# KiCad board VNA.kicad_pcb
title: VNA2; date: 2020-10-25; rev: 0.1; company: Design by Jan Käberich (jankae); note: Ported from Eagle to KiCad by B.VERNOUX Oct 2020
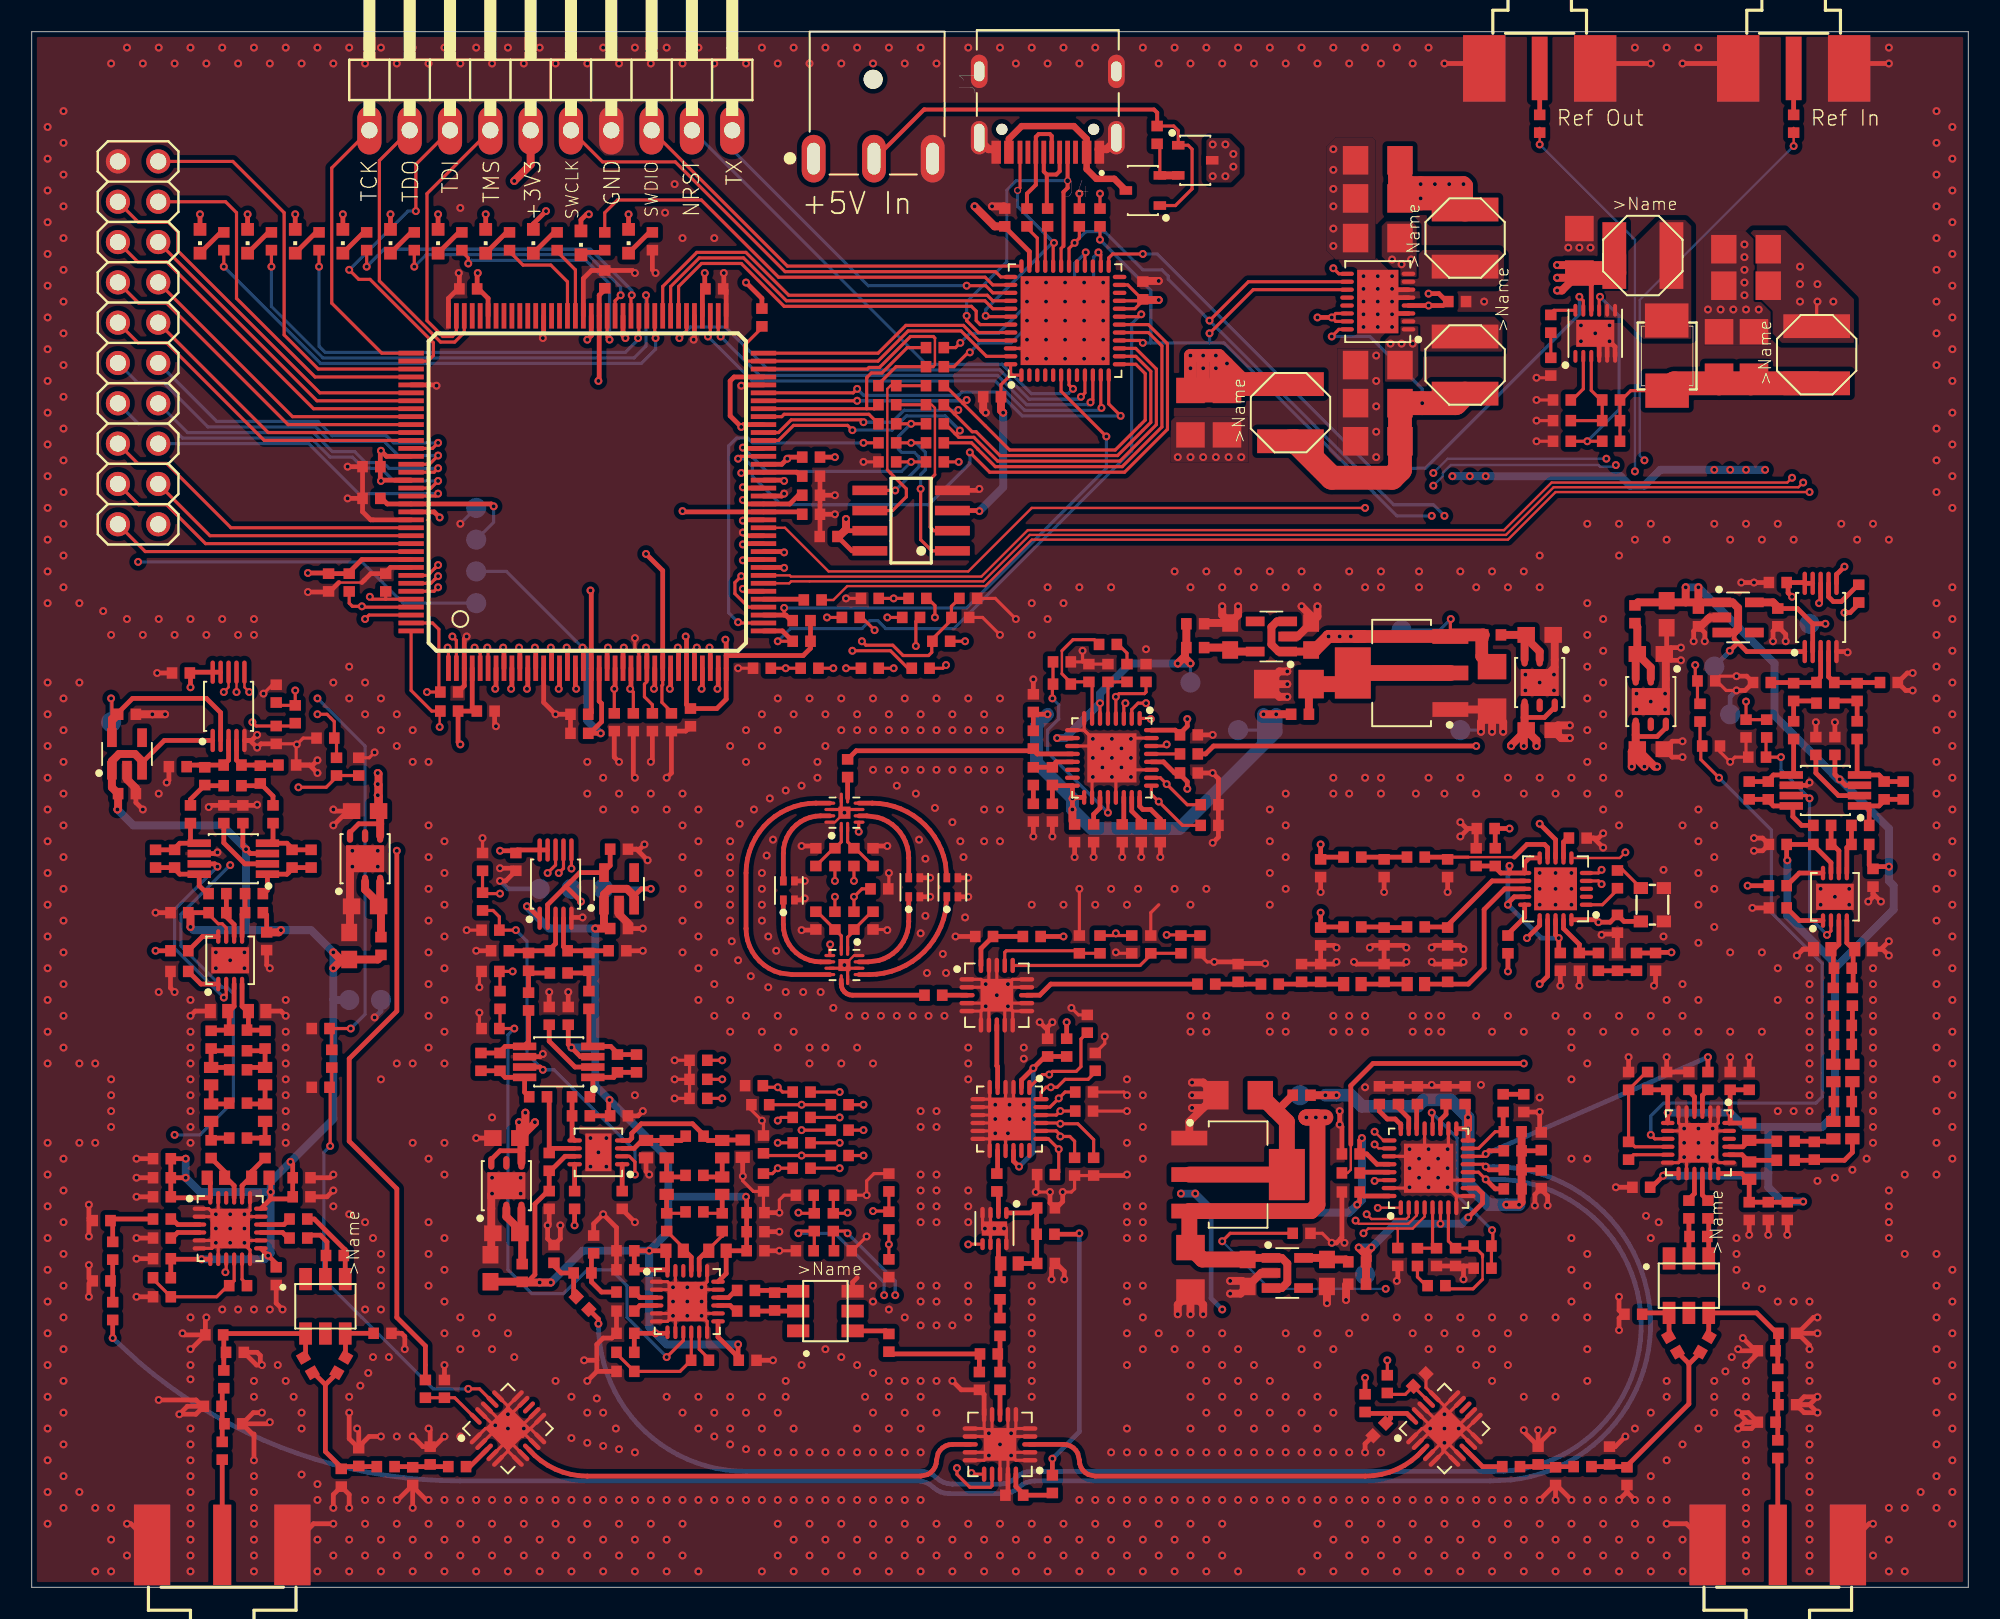
[diagram p0: board, top side]
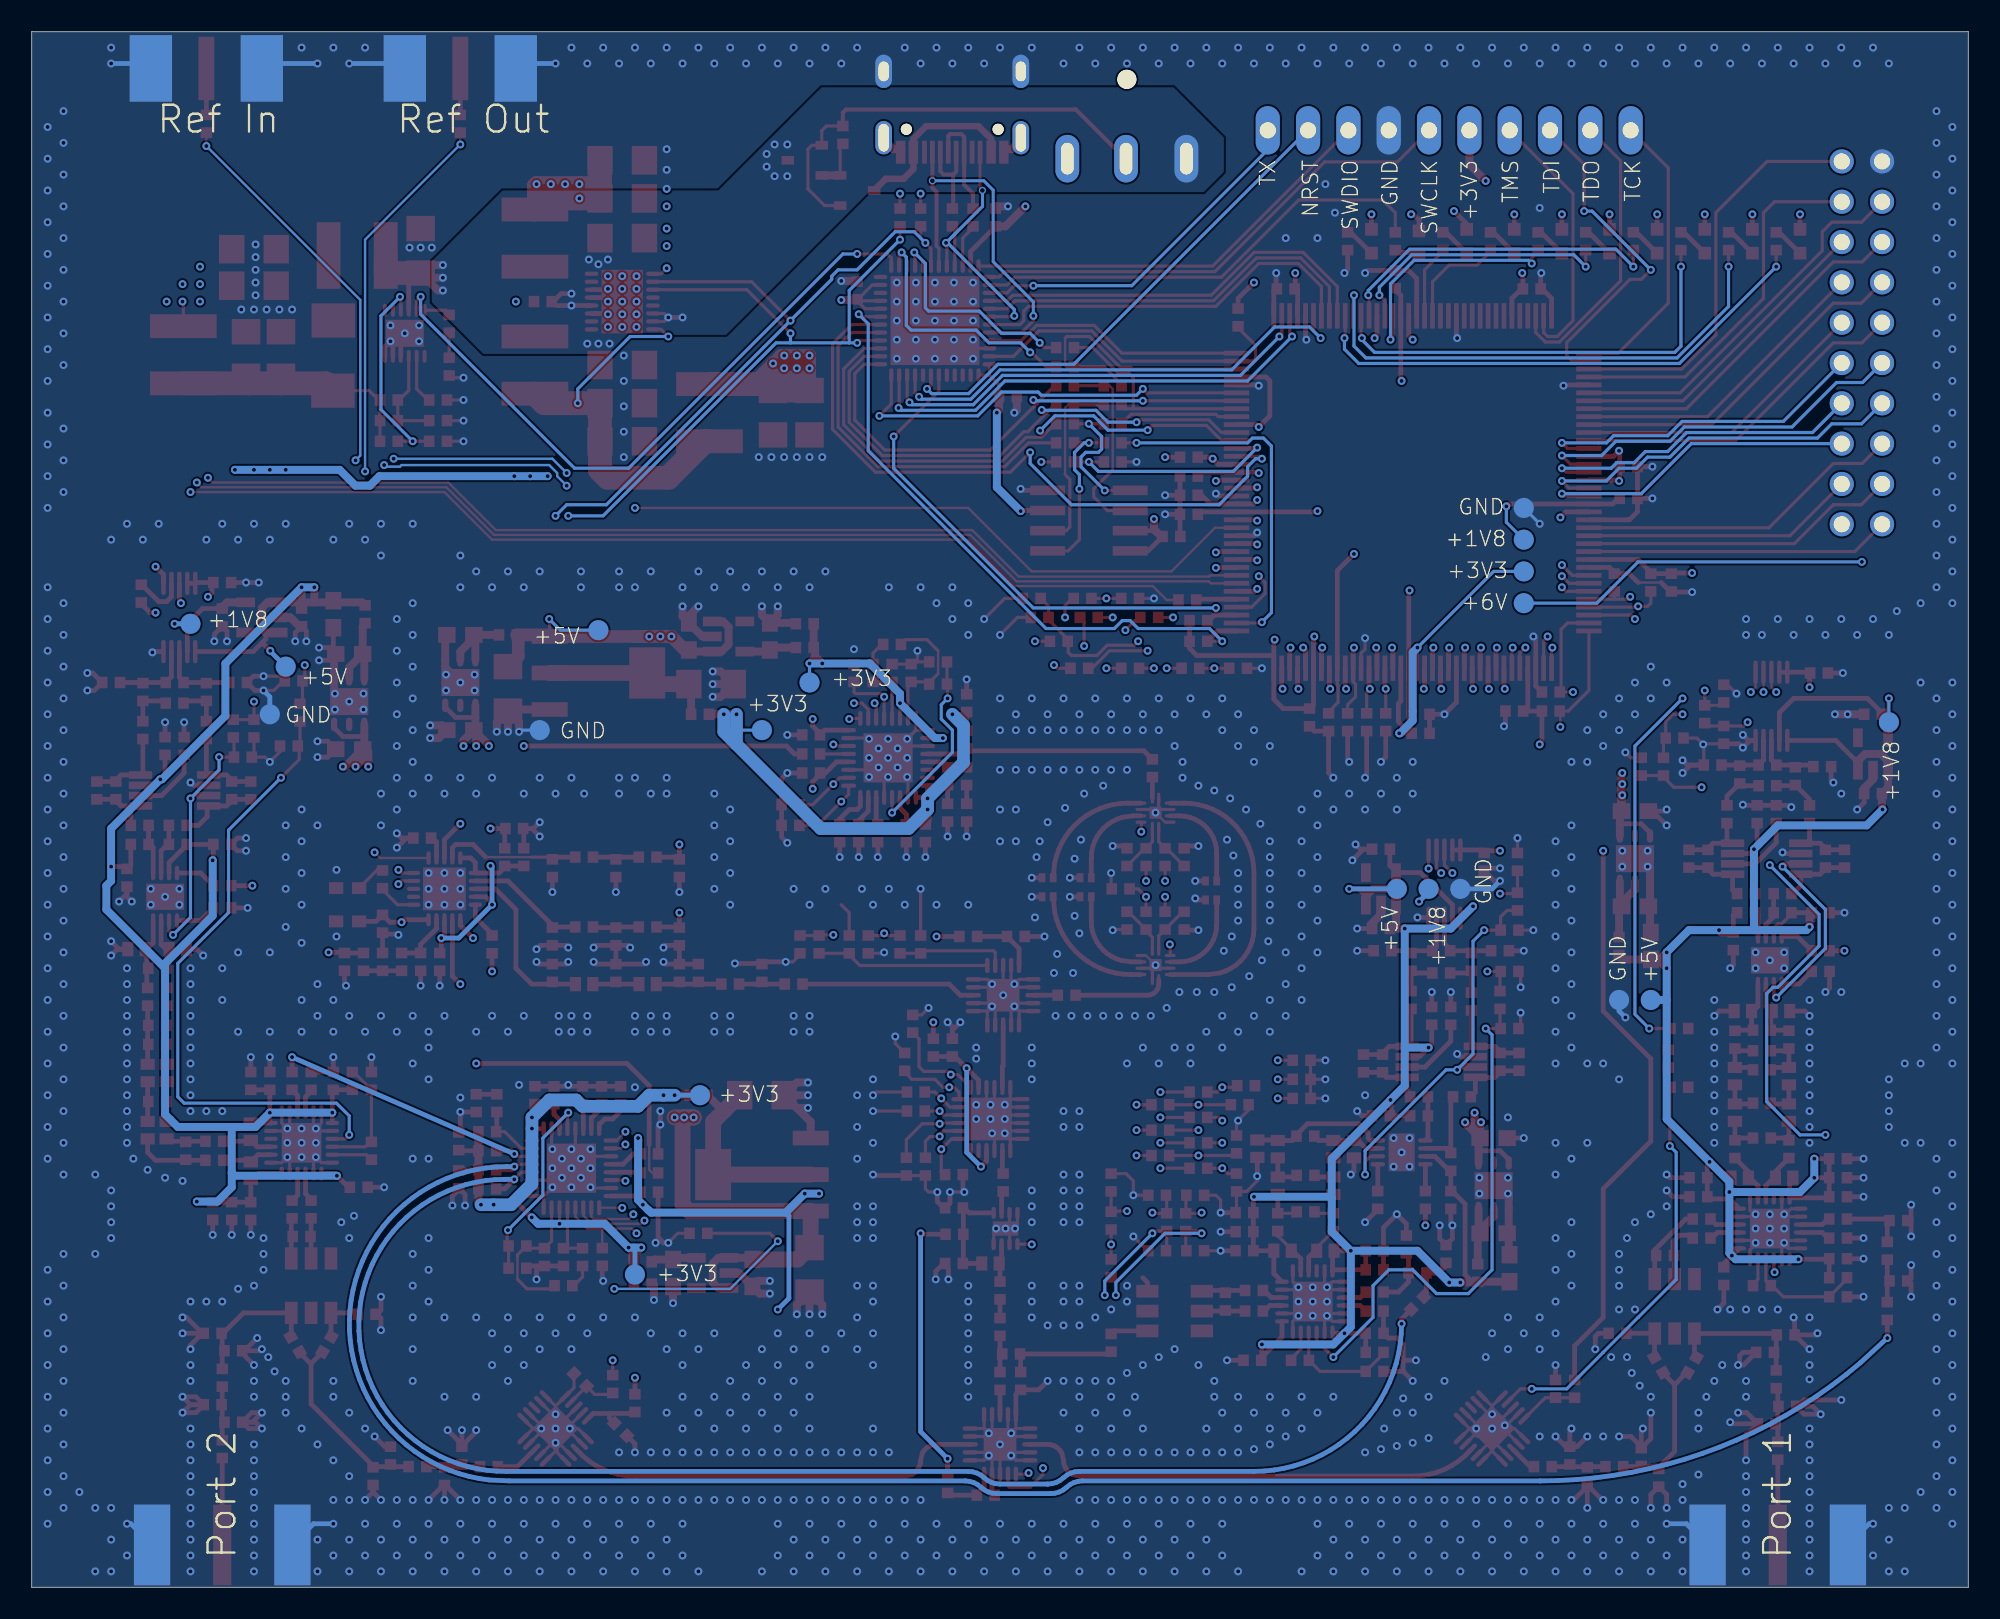
[diagram p1: board, bottom side, seen from below]

Outline 122 x 98 mm; copper layers: 1_top, 2_gnd, 3_pwr, 4_bot. Coordinates in mm from the lower left corner of the outline.
Outline path: 0,98 0,0 122,0 122,98 0,98

## Placement (name value [footprint] x y rotation side)
C1  10u  [C1206]  97.5 84.2 90 top
C2  10u  [C1206]  84.8 77 180 top
C3  10u  [C1206]  84.8 85 180 top
C4  100n  [C0402]  96.4 74.8 0 top
C5  10n  [C0402]  95.7 76.9 90 top
C6  100n  [C0402]  89.8 81 180 top
C7  10u  [C1206]  84.8 89.9 180 top
C8  10u  [C1206]  84.8 74.6 180 top
C9  100p  [C0402]  99.5 74.8 180 top
C10  10u  [C1206]  84.8 87.5 180 top
C11  10u  [C1206]  84.8 72.2 180 top
C12  10u  [C1206]  108.5 77.7 90 top
C13  10u  [C1206]  106.3 77.7 90 top
C14  10u  [C1206]  75.3 74 270 top
C15  10u  [C1206]  73 74 270 top
C16  10u  [C1206]  108 82 180 top
C17  10u  [C1206]  108 84.3 180 top
C18  1u  [C0603]  21 48.9 0 top
C19  1u  [C0603]  102 52.8 180 top
C20  1u  [C0603]  29.9 28.3 0 top
C21  1u  [C0603]  95 54 180 top
C22  4u7  [C0603]  21 42.9 0 top
C23  4u7  [C0603]  102 58.8 180 top
C24  4u7  [C0603]  29.9 22.3 0 top
C25  4u7  [C0603]  95 60 180 top
C26  1u  [C0603]  20 40.4 270 top
C27  1u  [C0603]  103 61.3 90 top
C28  1u  [C0603]  28.9 20.1 270 top
C29  100n  [C0402]  91.6 47.8 0 top
C30  10n  [C0402]  111 92.2 270 top
C31  100n  [C0402]  99.9 41.8 90 top
C32  100n  [C0402]  91 46 270 top
C33  100n  [C0402]  96.3 39.4 90 top
C34  100n  [C0402]  99.9 44.6 90 top
C35  DNP  [C0402]  97.5 39.4 270 top
C36  DNP  [C0402]  89.2 41 270 top
C37  DNP  [C0402]  89.2 45.3 270 top
C38  56p  [C0402]  89.2 38.7 90 top
C39  10n  [C0402]  95 92.2 90 top
C40  DNP  [C0402]  99.9 39.4 90 top
C41  DNP  [C0402]  85.2 41 270 top
C42  DNP  [C0402]  85.2 45.3 270 top
C43  180p  [C0402]  85.2 38.7 90 top
C44  DNP  [C0402]  102.3 39.4 270 top
C45  DNP  [C0402]  81.2 41 270 top
C46  DNP  [C0402]  81.2 45.3 270 top
C47  56p  [C0402]  81.2 38.7 90 top
C48  100n  [C0402]  74 38 0 top
C49  10u  [C1206]  92 56.6 270 top
C50  1u  [C0603]  80.6 59.9 90 top
C51  10n  [C0402]  72.9 52.5 180 top
C52  1u  [C0603]  75.5 59.9 90 top
C53  10u  [C1206]  79.2 56.9 180 top
C54  100n  [C0402]  72.9 51.3 0 top
C55  100n  [C0402]  72.9 53.7 0 top
C56  100n  [C0402]  65.7 47.5 270 top
C57  100n  [C0402]  73.3 60.7 0 top
C58  1u  [C0402]  71.1 47.5 270 top
C59  1u  [C0402]  66.9 47.5 270 top
C60  1u  [C0402]  69.9 47.5 270 top
C61  100n  [C0402]  64.3 48.8 270 top
C62  100n  [C0402]  63.1 51.1 90 top
C63  180p  [C0402]  66.6 57.6 90 top
C64  100n  [C0402]  63.1 55.7 90 top
C65  100n/RF  [C0402]  51.4 51.6 270 top
C66  3n3  [C0402]  67.8 59.4 0 top
C67  18p  [C0402]  64.9 58.3 180 top
C68  100n/RF  [C0402]  56.8 37.3 0 top
C69  100n  [C0402]  60 41 180 top
C70  100n  [C0402]  64 34 90 top
C71  100n/RF  [C0402]  60.8 25.5 270 top
C72  100n  [C0402]  63.9 23.9 0 top
C73  100n  [C0402]  63.9 20.4 0 top
C74  100n/RF  [C0402]  61 18.7 270 top
C75  100n  [C0402]  61.9 5.8 180 top
C76  100n  [C0402]  26 12.5 90 top
C77  100n  [C0402]  84.9 9.94 225 top
C78  10u  [C1206]  73 20 270 top
C79  1u  [C0603]  76.6 19.8 270 top
C80  10n  [C0402]  83.1 26.1 0 top
C81  1u  [C0603]  81.6 19.8 270 top
C82  10u  [C1206]  76 31 180 top
C83  100n  [C0402]  83.1 27.3 180 top
C84  100n  [C0402]  83.1 24.9 180 top
C85  100n  [C0402]  90.3 31 90 top
C86  100n  [C0402]  83.5 19.1 180 top
C87  1u  [C0402]  84.9 31 90 top
C88  1u  [C0402]  89.1 31 90 top
C89  1u  [C0402]  86.1 31 90 top
C90  180p  [C0402]  89.7 20.8 270 top
C91  100n  [C0402]  95.1 25.7 270 top
C92  3n3  [C0402]  88.5 19 180 top
C93  10n  [C0402]  92.7 30.5 270 top
C94  100n  [C0402]  95.1 28.1 90 top
C95  18p  [C0402]  91.4 20.1 0 top
C96  100n/RF  [C0402]  26.8 7.6 180 top
C97  100n  [C0402]  9.3 38.8 0 top
C98  100n  [C0402]  9.3 40.1 0 top
C99  100n/RF  [C0402]  12 8.6 90 top
C100  1u  [C0402]  11.7 43.7 180 top
C101  1u  [C0402]  14 43.7 0 top
C102  100n  [C0402]  14.8 40.7 90 top
C103  100n  [C0402]  9.3 42.5 0 top
C104  10n  [C0402]  8.2 20.7 180 top
C105  10n  [C0402]  8.2 24.6 180 top
C106  10n  [C0402]  15.4 19.6 270 top
C107  DNP  [C0402]  19.1 20.9 180 top
C108  1u  [C0402]  8.2 27 180 top
C109  100n/RF  [C0402]  16.8 22 180 top
C110  100n/RF  [C0402]  16.8 23.2 180 top
C111  10n  [C0402]  17 24.6 0 top
C112  DNP  [C0402]  7.8 45.9 90 top
C113  DNP  [C0402]  17.6 45.9 270 top
C114  100n  [C0402]  8.2 23.2 0 top
C115  100n  [C0402]  13.3 48.7 270 top
C116  100n  [C0402]  12.1 48.7 90 top
C117  100n  [C0402]  8.2 22 180 top
C118  100n  [C0402]  8.2 18.3 0 top
C119  100n  [C0402]  8.2 25.8 180 top
C120  10n  [C0402]  14.7 27.6 90 top
C121  330p  [C0402]  12.65 50.5 0 top
C122  100n  [C0402]  17 25.8 0 top
C123  10n  [C0402]  11.3 27.6 90 top
C124  120p  [C0402]  13 28.3 180 top
C125  330p  [C0402]  9.2 51.7 0 top
C126  330p  [C0402]  12.65 51.8 0 top
C127  330p  [C0402]  16.1 51.8 0 top
C128  150p  [C0402]  13 30.5 180 top
C129  1u  [C0402]  6 50 0 top
C130  33p  [C0402]  13 32.6 180 top
C131  1u  [C0402]  6 55 0 top
C132  100n  [C0402]  9.4 57.6 0 top
C133  100n/RF  [C0402]  93.2 7.6 0 top
C134  100n  [C0402]  110 42.8 0 top
C135  100n  [C0402]  110 44.2 0 top
C136  100n/RF  [C0402]  110 8.7 90 top
C137  1u  [C0402]  112.8 48 180 top
C138  1u  [C0402]  115.2 48 0 top
C139  100n  [C0402]  110 46.8 0 top
C140  100n  [C0402]  116 44.7 90 top
C141  10n  [C0402]  101.4 25.2 180 top
C142  10n  [C0402]  103 31.9 90 top
C143  10n  [C0402]  107 31.9 90 top
C144  DNP  [C0402]  105 22.1 180 top
C145  1u  [C0402]  110.6 23.7 270 top
C146  100n/RF  [C0402]  104.4 23.8 90 top
C147  100n/RF  [C0402]  105.6 23.8 90 top
C148  10n  [C0402]  108.2 23.7 270 top
C149  DNP  [C0402]  109.4 50.2 90 top
C150  DNP  [C0402]  117.9 50.2 270 top
C151  100n  [C0402]  105.6 31.9 270 top
C152  100n  [C0402]  113.6 53 270 top
C153  100n  [C0402]  112.4 53 90 top
C154  100n  [C0402]  104.4 31.9 90 top
C155  100n  [C0402]  100.6 31.9 270 top
C156  100n  [C0402]  109.4 23.7 270 top
C157  10n  [C0402]  110.5 26.9 0 top
C158  330p  [C0402]  113 55.7 0 top
C159  100n  [C0402]  108.2 31.9 90 top
C160  10n  [C0402]  110.5 28.1 0 top
C161  120p  [C0402]  112.3 27.5 90 top
C162  330p  [C0402]  109 57 0 top
C163  330p  [C0402]  113 57 0 top
C164  330p  [C0402]  117 57 0 top
C165  150p  [C0402]  114.1 30.6 180 top
C166  1u  [C0402]  105 61.1 270 top
C167  33p  [C0402]  114.1 34.2 180 top
C168  1u  [C0402]  110 61.1 270 top
C169  100n  [C0402]  110 63.3 0 top
C170  100n/RF  [C0402]  54 15.4 90 top
C171  10n  [C0402]  37.4 20 180 top
C172  10n  [C0402]  45.6 21.2 0 top
C173  DNP  [C0402]  28.3 33.1 90 top
C174  DNP  [C0402]  38.1 33 270 top
C175  10n  [C0402]  45.1 14.3 0 top
C176  DNP  [C0402]  46.8 18 270 top
C177  1u  [C0402]  45.6 23.6 0 top
C178  100n/RF  [C0402]  45 17.4 180 top
C179  100n/RF  [C0402]  45 18.7 180 top
C180  10n  [C0402]  37.4 16 180 top
C181  100n  [C0402]  33.8 36 270 top
C182  100n  [C0402]  32.6 36 90 top
C183  100n  [C0402]  37.4 18.6 0 top
C184  330p  [C0402]  33.2 38.7 0 top
C185  100n  [C0402]  37.4 17.4 180 top
C186  100n  [C0402]  37.4 13.6 0 top
C187  330p  [C0402]  29.5 40.1 0 top
C188  330p  [C0402]  33.2 40.1 0 top
C189  330p  [C0402]  36.9 40.1 0 top
C190  100n  [C0402]  37.4 21.2 180 top
C191  10n  [C0402]  43.5 23 90 top
C192  10n  [C0402]  40 23 90 top
C193  100n  [C0402]  45.6 22.4 0 top
C194  120p  [C0402]  41.75 23.65 180 top
C195  1u  [C0402]  37 41.5 0 top
C196  150p  [C0402]  41.75 25.95 180 top
C197  33p  [C0402]  41.76 28.42 180 top
C198  1u  [C0402]  37 46.5 0 top
C199  100n  [C0402]  37.2 24.4 90 top
C200  100n  [C0402]  34.2 24.4 90 top
C201  100n  [C0402]  30.5 45.7 90 top
C202  1u  [C0402]  31.9 30.9 180 top
C203  1u  [C0402]  34.6 30.9 0 top
C204  100n  [C0402]  37 29.7 180 top
C205  100n  [C0402]  32.6 24.4 90 top
C206  100n  [C0402]  60.5 75 180 top
C207  100n  [C0402]  70 81.7 90 top
C208  100n  [C0402]  61.3 86.3 90 top
C209  100n  [C0402]  50.2 66.2 180 top
C210  100n  [C0402]  34.5 53.8 180 top
C211  100n  [C0402]  21.4 68.6 180 top
C212  100n  [C0402]  41.5 54.8 270 top
C213  100n  [C0402]  40.3 54.5 270 top
C214  100n  [C0402]  49.1 68.8 0 top
C215  100n  [C0402]  49.1 67.6 0 top
C216  100n  [C0402]  28.6 55.2 0 top
C217  100n  [C0402]  34.5 55 180 top
C218  100n  [C0402]  18.7 63.3 270 top
C219  100n  [C0402]  36.1 82.4 90 top
C220  100n  [C0402]  43 81.8 0 top
C221  100n  [C0402]  27.5 81.8 180 top
C222  100n  [C0402]  21.4 70.6 180 top
C223  100p  [C0402]  28.4 45.7 90 top
C224  100p  [C0402]  28.9 41.4 180 top
C225  100p  [C0402]  28.9 38.8 180 top
C226  100p  [C0402]  28.9 35.2 180 top
C227  100p  [C0402]  15.4 56.3 90 top
C228  100p  [C0402]  15.4 53.7 270 top
C229  100p  [C0402]  18.5 53.5 180 top
C230  100p  [C0402]  20.6 51.7 90 top
C231  100p  [C0402]  108.7 52.3 180 top
C232  100p  [C0402]  108 54.1 270 top
C233  100p  [C0402]  105.8 53 0 top
C234  100p  [C0402]  105.5 57.1 0 top
C235  100p  [C0402]  80 22.3 0 top
C236  100p  [C0402]  87.44 13.06 45 top
C237  100p  [C0402]  48.7 24.7 180 top
C238  100p  [C0402]  48.7 21.2 180 top
C239  100p  [C0402]  51.1 24.7 0 top
C240  100p  [C0402]  51.1 21.2 0 top
C241  100p  [C0402]  18.2 35.2 180 top
C242  100p  [C0402]  18.2 31.5 180 top
C243  100p  [C0402]  54 25.5 90 top
C244  100p  [C0402]  54 20.1 270 top
C245  100p  [C0402]  69.3 40.5 270 top
C246  100p  [C0402]  66 40.5 90 top
C247  100p  [C0402]  73.6 40.5 270 top
C248  100p  [C0402]  70.5 40.5 90 top
C249  100p  [C0402]  45.5 31.6 180 top
C250  100p  [C0402]  66.5 35.5 90 top
C251  100p  [C0402]  45.9 30.4 180 top
C252  100p  [C0402]  67 33.1 90 top
C253  100p  [C0402]  42 33.2 180 top
C254  100p  [C0402]  66.3 31.2 0 top
C255  100p  [C0402]  42 32 180 top
C256  100p  [C0402]  66.3 30 0 top
C257  100p  [C0402]  63.9 26 180 top
C258  100p  [C0402]  46.1 25.5 270 top
C259  100p  [C0402]  65.7 26.5 270 top
C260  100p  [C0402]  46.1 27.9 90 top
C261  100p  [C0402]  66.9 26.5 270 top
C262  100p  [C0402]  42 30.8 180 top
C263  100p  [C0402]  39.1 54.5 270 top
C264  100p  [C0402]  37.9 54.5 270 top
C265  100p  [C0402]  53.4 44 0 top
C266  100p  [C0402]  36.7 54.5 270 top
C267  100p  [C0402]  59 62.3 0 top
C268  100p  [C0402]  70.2 57.6 90 top
C269  100n  [C0402]  5.1 17.4 90 top
C270  100n  [C0402]  34.7 17.9 135 top
C271  100p  [C0402]  52.8 62.3 180 top
C272  100p  [C0402]  74.2 49.3 0 top
C273  100p  [C0402]  46 57.9 180 top
C274  100p  [C0402]  74.2 48 0 top
D1  MBRS2040LT3G  [SMB]  102.9 77.7 90 top
IC1  MIC2253  [SON50P300X300X90-13T170X240N]  98.5 79 90 top
IC2  LM3370SD-4221  [SON50P400X500X80-17T260X400N]  84.8 81 180 top
IC3  LDL212PU50R  [SON95P300X300X100-7T170X240N]  21 45.9 90 top
IC4  LDL212PU50R  [SON95P300X300X100-7T170X240N]  102 55.8 270 top
IC5  LDL212PU50R  [SON95P300X300X100-7T170X240N]  29.9 25.3 90 top
IC6  LDL212PU50R  [SON95P300X300X100-7T170X240N]  95 57 270 top
IC7  SI5351C  [QFN50P400X400X90-21T270N]  96 44 180 top
IC8  AP2114H  [SOT230P700X180-4]  86.3 57.6 180 top
IC9  NCP702-3.3  [SOT95P240X110-5]  78.1 59.9 180 top
IC10  MAX2871  [QFN50P500X500X80-33T310]  68.05 52.25 270 top
IC11  RFSW6042  [QFN40P180X180X55-13T76N]  51.2 48.8 90 top
IC12  RFSW6042  [QFN40P180X180X55-13T76N]  51.2 39.2 270 top
IC13  QPC6324  [QFN50P400X400X75-21T206]  60.8 37.3 0 top
IC14  RFSA3714  [QFN50P400X400X75-25T270]  61.6 29.5 270 top
IC15  TRF37A73  [SON50P200X200X80-9T90X160N]  60.65 22.6 270 top
IC16  QPC6324  [QFN50P400X400X75-21T206]  61 9 180 top
IC17  QPC6324  [QFN50P400X400X75-21T206]  89 10 45 top
IC18  QPC6324  [QFN50P400X400X75-21T206]  30 10 45 top
IC19  AP2114H  [SOT230P700X180-4]  76 26 0 top
IC20  NCP702-3.3  [SOT95P240X110-5]  79.1 19.8 0 top
IC21  MAX2871  [QFN50P500X500X80-33T310]  88 26.4 90 top
IC22  LT5560  [SON50P300X300X80-9T165X238]  12.5 39.5 90 top
IC23  THS4521IDGKR  [SOP65P490X110-8N]  12.7 45.9 180 top
IC24  ADL5801  [QFN50P400X400X100-25T250N]  12.5 22.6 0 top
IC25  NCP702-1.8  [SOT95P240X110-5]  6 52.5 90 top
IC26  MCP33131D-10-E_MS  [SOP50P490X110-10N]  12.4 55.5 90 top
IC27  LT5560  [SON50P300X300X80-9T165X238]  113.6 43.5 90 top
IC28  THS4521IDGKR  [SOP65P490X110-8N]  113 50.2 180 top
IC29  ADL5801  [QFN50P400X400X100-25T250N]  105 28 270 top
IC30  NCP702-1.8  [SOT95P240X110-5]  107.5 61.1 0 top
IC31  MCP33131D-10-E_MS  [SOP50P490X110-10N]  112.7 61.1 90 top
IC32  THS4521IDGKR  [SOP65P490X110-8N]  33.2 33.1 180 top
IC33  ADL5801  [QFN50P400X400X100-25T250N]  41.3 18 0 top
IC34  NCP702-1.8  [SOT95P240X110-5]  37 44 90 top
IC35  MCP33131D-10-E_MS  [SOP50P490X110-10N]  33 44.3 90 top
IC36  LT5560  [SON50P300X300X80-9T165X238]  35.7 27.4 180 top
IC37  STM32G431CB  [QFN50P700X700X60-49T560N]  65.1 79.8 90 top
J1  PJ-014D  [CUI_PJ-014D]  49.26 90 270 top
J2  -  [AMPHENOL_132289]  12 0.1 90 top
J3  -  [AMPHENOL_132289]  110 0.1 90 top
J4  TYPE-C-31-M-12  [HRO_TYPE-C-31-M-12]  64.01 95.5 180 top
JP1  DNP  [1X10_90]  32.7 95.6 0 top
JP2  DNP  [2X10]  6.7 78.4 90 top
L1  2u2  [SRN5040]  101.5 83.9 0 top
L2  2u2  [SRN5040]  90.3 85 90 top
L3  2u2  [SRN5040]  90.3 77 270 top
L4  2u2  [SRN5040]  79.3 74 90 top
L5  2u2  [SRN5040]  112.45 77.65 90 top
L6  Ferrite  [R0402]  22 40.4 270 top
L7  Ferrite  [R0402]  101 61.3 90 top
L8  Ferrite  [R0402]  30.9 19.8 270 top
L9  Ferrite  [R0402]  92 60 180 top
L10  Ferrite  [R0402]  92.2 46 270 top
L14  330n  [L0402]  87.2 38 180 top
L18  330n  [L0402]  83.2 38 180 top
L19  Ferrite  [R0402]  79.9 55 180 top
L20  Ferrite  [R0402]  73.3 59.2 180 top
L21  Ferrite  [R0402]  63 41 180 top
L22  Ferrite  [R0402]  65.2 34 270 top
L23  Ferrite  [R0402]  63.87 22.24 180 top
L24  330n  [L0402]  61.6 20.4 180 top
L25  Ferrite  [R0402]  64.3 6.5 90 top
L26  Ferrite  [R0402]  84 11.6 270 top
L27  Ferrite  [R0402]  24.8 12.5 270 top
L28  Ferrite  [R0402]  80 31 0 top
L29  Ferrite  [R0402]  83.5 20.5 0 top
L30  330n  [L0402]  11.8 36.3 180 top
L31  330n  [L0402]  14.2 36.3 0 top
L32  330n  [L0402]  14.4 25.8 180 top
L33  330n  [L0402]  11.6 25.8 0 top
L34  68n  [L0402]  14.7 29.9 90 top
L35  68n  [L0402]  11.3 29.9 90 top
L36  33n  [L0402]  14.7 32.2 90 top
L37  33n  [L0402]  11.3 32.2 90 top
L38  330n  [L0402]  112.8 40.2 180 top
L39  330n  [L0402]  115.4 40.2 0 top
L40  330n  [L0402]  108.2 26.25 90 top
L41  330n  [L0402]  108.2 28.7 270 top
L42  68n  [L0402]  114.7 28.8 90 top
L43  68n  [L0402]  113.5 28.8 90 top
L44  33n  [L0402]  114.7 32.4 90 top
L45  33n  [L0402]  113.5 32.4 90 top
L46  330n  [L0402]  43.2 21.2 180 top
L47  330n  [L0402]  40.5 21.2 0 top
L48  68n  [L0402]  43.5 25.3 90 top
L49  68n  [L0402]  40 25.3 90 top
L50  33n  [L0402]  43.5 27.6 90 top
L51  33n  [L0402]  40 27.6 90 top
L52  330n  [L0402]  44.79 27.63 270 top
L53  330n  [L0402]  38.7 27.6 270 top
LED1  Red  [CHIPLED_0603]  34.6 84.7 180 top
LED2  Green  [CHIPLED_0603]  37.6 84.8 180 top
LED3  Red  [CHIPLED_0603]  31.6 84.8 180 top
LED4  Red  [CHIPLED_0603]  28.6 84.8 180 top
LED5  Red  [CHIPLED_0603]  25.6 84.8 180 top
LED6  Green  [CHIPLED_0603]  22.6 84.8 180 top
LED7  Green  [CHIPLED_0603]  19.6 84.8 180 top
LED8  Green  [CHIPLED_0603]  16.6 84.8 180 top
LED9  Green  [CHIPLED_0603]  13.6 84.8 180 top
LED10  Green  [CHIPLED_0603]  10.6 84.8 180 top
LP1  LP0603A0947ANTR  [FILTRDFN160X84X70-4N]  47.7 43.9 90 top
LP2  LP0603N3500ANTR  [FILTRDFN160X84X70-4N]  55.6 44.1 90 top
LP3  LP0603A1880ANTR  [FILTRDFN160X84X70-4N]  58 44.1 90 top
Q1  SSM3J338R  [SOTFL95P240X80-3N]  70 88 180 top
Q2  SSM3J338R  [SOTFL95P240X80-3N]  73.3 89.9 0 top
R1  620  [R0402]  95.7 79.6 90 top
R2  4k7  [R0402]  99.5 72.2 0 top
R3  10k  [R0402]  96.4 72.2 0 top
R4  38k3  [R0402]  99.5 73.5 0 top
R5  10k  [R0402]  96.4 73.5 0 top
R6  10k  [R0402]  97.4 47.2 180 top
R7  100  [R0402]  80 38.7 90 top
R8  62  [R0402]  78 38 180 top
R9  100  [R0402]  76 38.7 270 top
R10  5k1  [R0402]  68.7 47.5 90 top
R11  10k  [R0402]  58.5 61.1 180 top
R12  49R9  [R0402]  63.1 53.4 90 top
R13  49R9  [R0402]  64.3 51.1 270 top
R14  49R9  [R0402]  63.1 48.8 90 top
R15  1k8  [R0402]  64.9 56.9 180 top
R16  82  [R0402]  69 57.6 270 top
R17  330  [R0402]  67.8 57.6 90 top
R18  10k  [R0402]  53 46 90 top
R19  10k  [R0402]  49.4 46 90 top
R20  10k  [R0402]  50.6 46 270 top
R21  10k  [R0402]  51.8 46 270 top
R22  10k  [R0402]  51.8 42 90 top
R23  10k  [R0402]  53 42 270 top
R24  10k  [R0402]  50.6 42 90 top
R25  10k  [R0402]  49.4 42 270 top
R26  2R7  [R0402]  61 16.4 270 top
R27  402  [R0402]  60.3 14.7 0 top
R28  56  [R0402]  59.7 13 90 top
R29  2R7  [R0402]  61 13 270 top
R30  5k1  [R0402]  87.3 31 270 top
R31  10k  [R0402]  86.06 20.81 90 top
R32  49R9  [R0402]  93.3 25.1 0 top
R33  49R9  [R0402]  93.3 26.3 0 top
R34  49R9  [R0402]  93.3 27.5 0 top
R35  49R9  [R0402]  93.3 28.7 0 top
R36  1k8  [R0402]  91.4 21.5 0 top
R37  82  [R0402]  87.3 20.8 90 top
R38  49R9  [R0402]  94 30.5 90 top
R39  330  [R0402]  88.5 20.8 270 top
R40  620  [R0402]  24 7 270 top
R41  620  [R0402]  25.1 8.3 270 top
R42  18  [R0402]  22.3 7.6 0 top
R43  620  [R0402]  19.5 6.9 90 top
R44  620  [R0402]  20.6 8.2 90 top
R45  49R9  [R0402]  17.4 14 300 top
R46  49R9  [R0402]  19.5 14 240 top
R47  DNP  [R0402]  11.4 11.4 0 top
R48  DNP  [R0402]  12.8 14.8 0 top
R49  0  [R0402]  12.1 13.1 90 top
R50  49R9  [R0402]  22.1 16 0 top
R51  DNP  [R0402]  12.7 10.3 0 top
R52  DNP  [R0402]  11.5 15.9 0 top
R53  220  [R0402]  11.7 42.5 0 top
R54  220  [R0402]  14 42.5 180 top
R55  6k8  [R0402]  9 45.9 90 top
R56  6k8  [R0402]  16.4 45.9 270 top
R57  DNP  [R0402]  13 19 0 top
R58  220  [R0402]  10 48.7 270 top
R59  220  [R0402]  15.2 48.7 270 top
R60  1k  [R0402]  8.2 19.5 180 top
R61  220  [R0402]  10.9 51.1 270 top
R62  220  [R0402]  14.4 51.2 270 top
R63  56  [R0402]  13 33.8 0 top
R64  20  [R0402]  14.7 34.5 270 top
R65  20  [R0402]  11.3 34.5 270 top
R66  56  [R0402]  13 35.1 180 top
R67  620  [R0402]  94.9 8.3 90 top
R68  620  [R0402]  96 7 90 top
R69  18  [R0402]  97.7 7.6 180 top
R70  620  [R0402]  100.5 7 90 top
R71  620  [R0402]  99.4 8.3 90 top
R72  49R9  [R0402]  105.4 15.3 240 top
R73  49R9  [R0402]  103.4 15.3 300 top
R74  DNP  [R0402]  109.3 10.4 0 top
R75  DNP  [R0402]  110.6 16 0 top
R76  49R9  [R0402]  100.9 17.2 180 top
R77  0  [R0402]  110 13.2 90 top
R78  DNP  [R0402]  110.6 11.5 0 top
R79  DNP  [R0402]  109.3 14.9 0 top
R80  220  [R0402]  112.8 46.8 0 top
R81  220  [R0402]  115.2 46.8 180 top
R82  6k8  [R0402]  108.2 50.2 90 top
R83  6k8  [R0402]  116.7 50.2 270 top
R84  DNP  [R0402]  100.6 27.5 270 top
R85  220  [R0402]  111 54 270 top
R86  220  [R0402]  115 54 270 top
R87  1k  [R0402]  101.8 31.9 90 top
R88  220  [R0402]  111 56.4 270 top
R89  220  [R0402]  115 56.4 270 top
R90  56  [R0402]  114.1 35.4 0 top
R91  20  [R0402]  114.7 37.2 270 top
R92  20  [R0402]  113.5 37.2 270 top
R93  56  [R0402]  114.1 39 180 top
R94  4k7  [R0402]  29.5 33.1 90 top
R95  4k7  [R0402]  36.9 33 270 top
R96  220  [R0402]  31.3 36.9 270 top
R97  220  [R0402]  35.1 37 270 top
R98  220  [R0402]  31.3 39.4 270 top
R99  220  [R0402]  35.1 39.4 270 top
R100  DNP  [R0402]  42.1 14.3 0 top
R101  1k  [R0402]  37.4 14.8 180 top
R102  220  [R0402]  32.6 26.8 90 top
R103  220  [R0402]  34.6 29.7 180 top
R104  0  [R0402]  56.9 75.7 180 top
R105  0  [R0402]  56.9 73.3 180 top
R106  0  [R0402]  56.9 74.5 180 top